# Altium PCB PCBV3.PcbDoc (part 1 of 2)
Units mil, origin at the board's own origin, x right, y up, seen from the top; angles counter-clockwise.
Board outline 2480.31 x 2834.65 mil, 2 copper layers (SIGNAL1, SIGNAL2); 94 components, 77 nets, 381 pads, 80 vias.
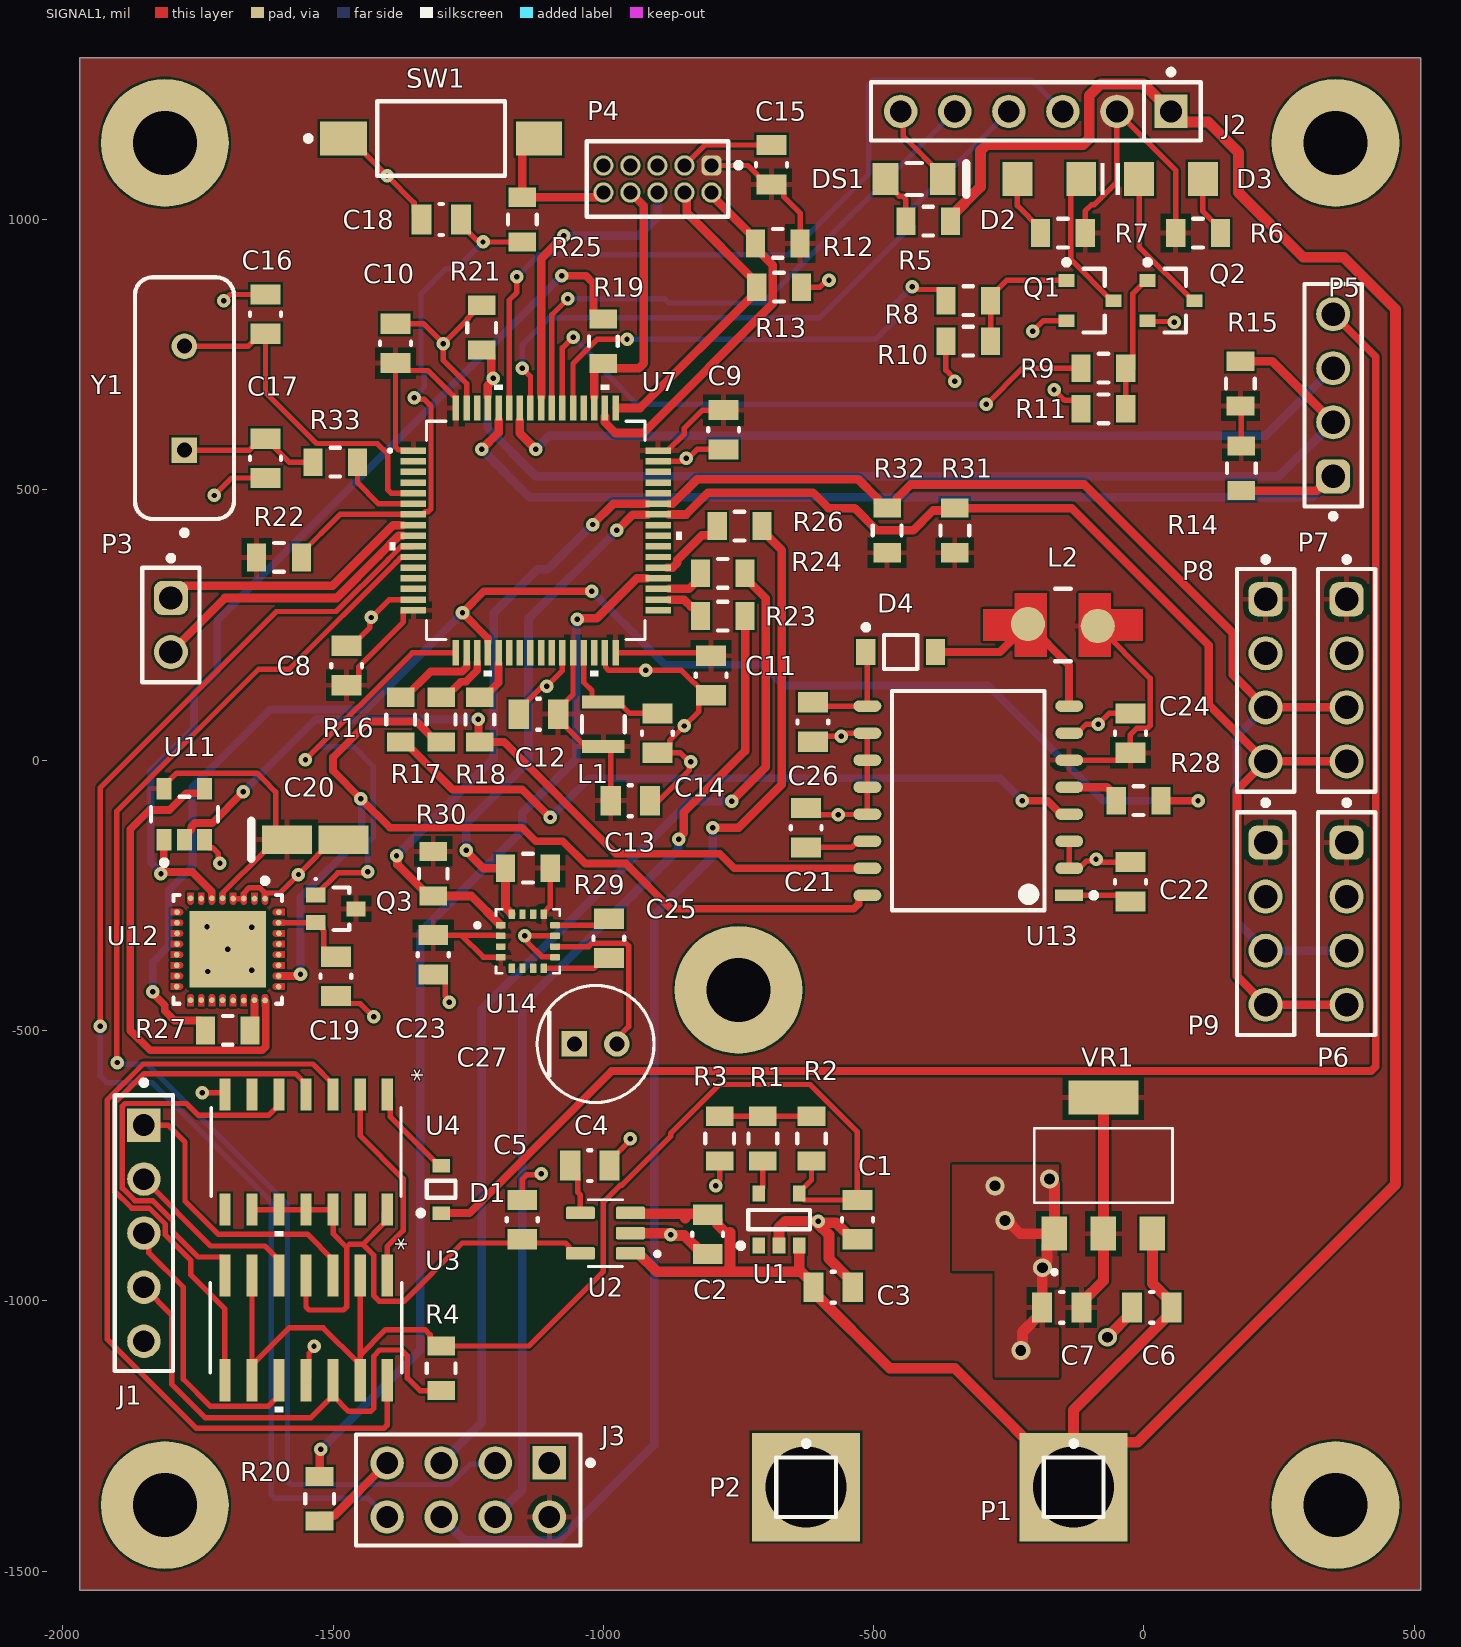
[diagram p0: SIGNAL1 view]
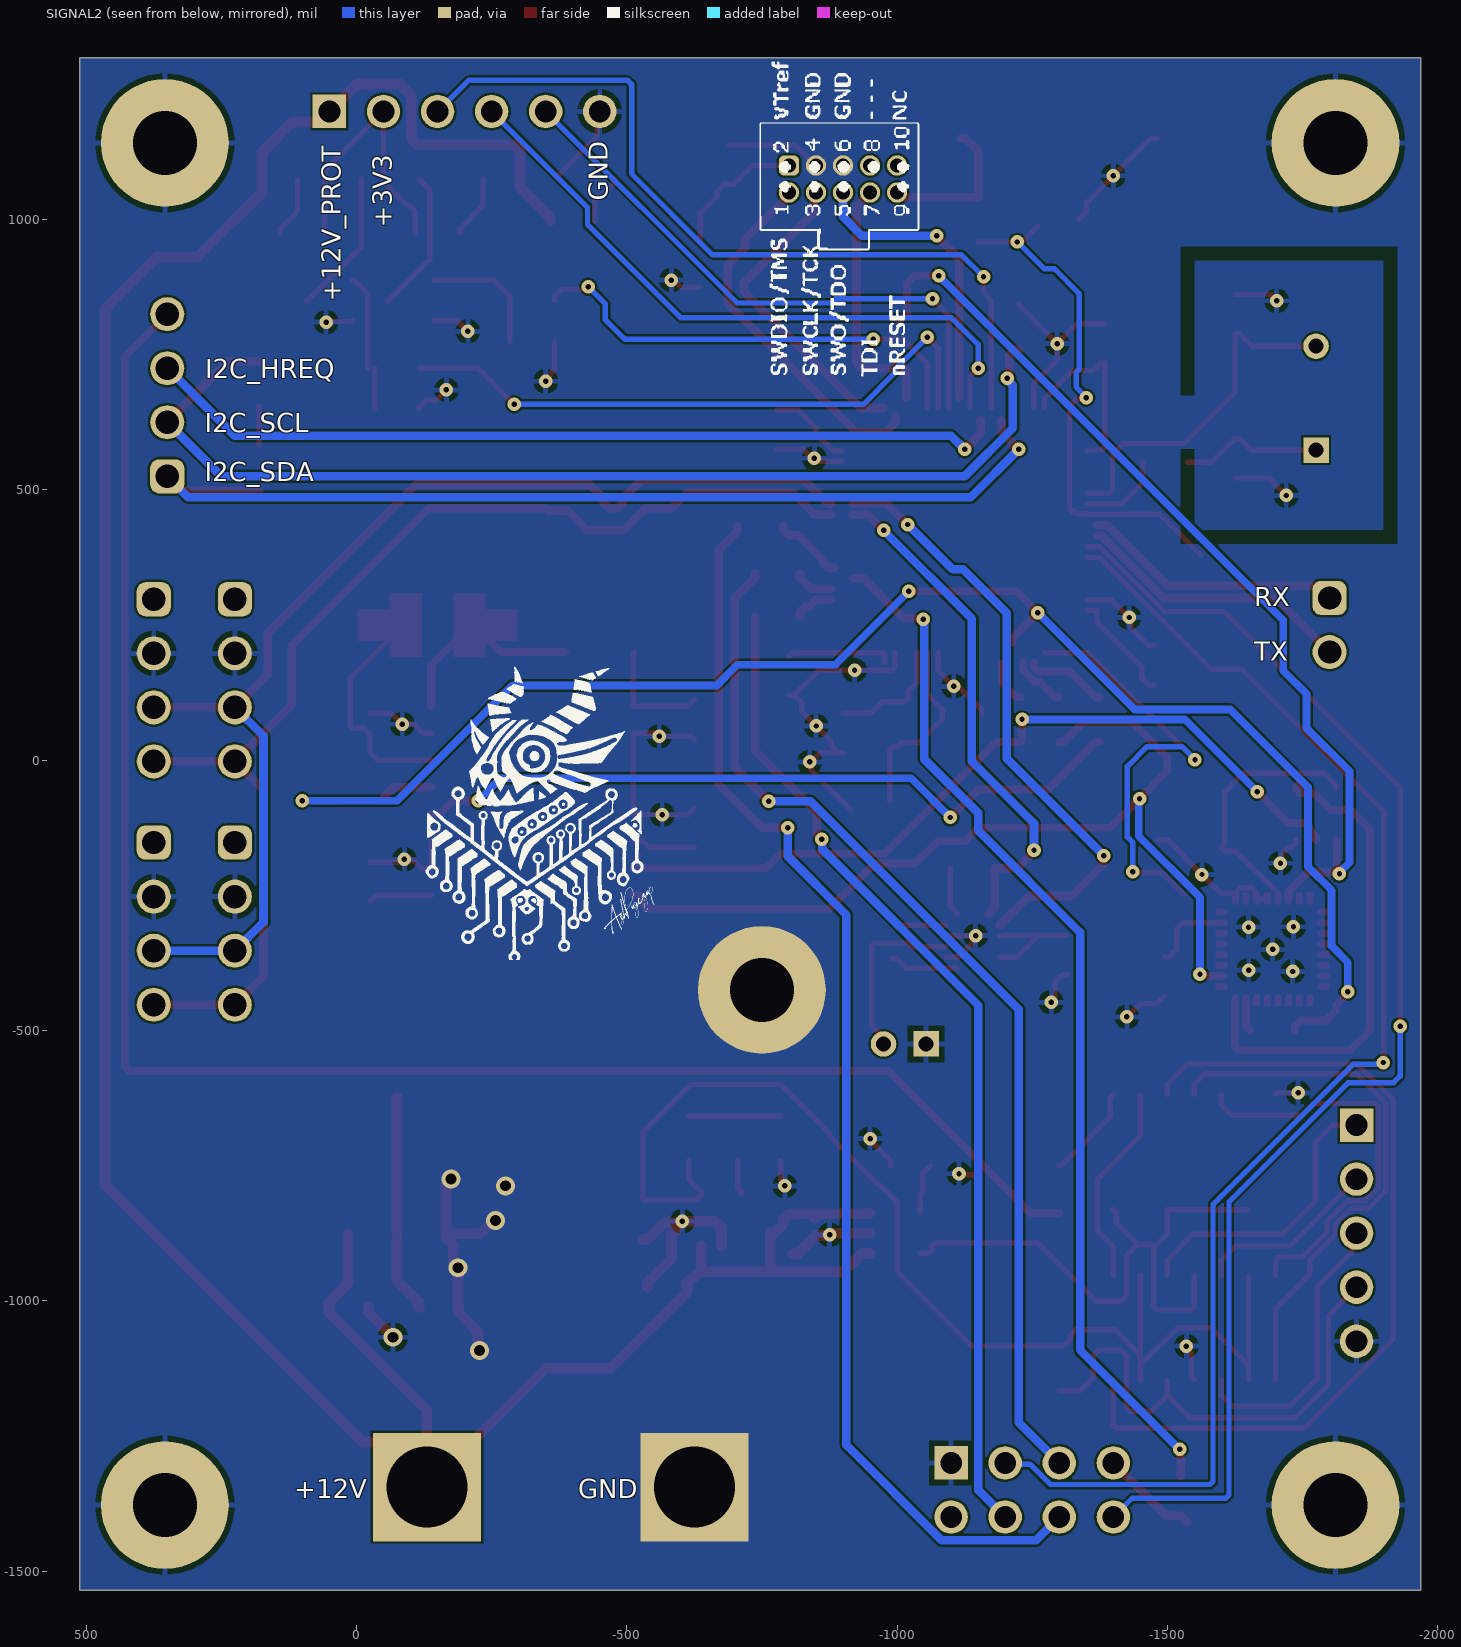
[diagram p1: SIGNAL2 view, seen from below]
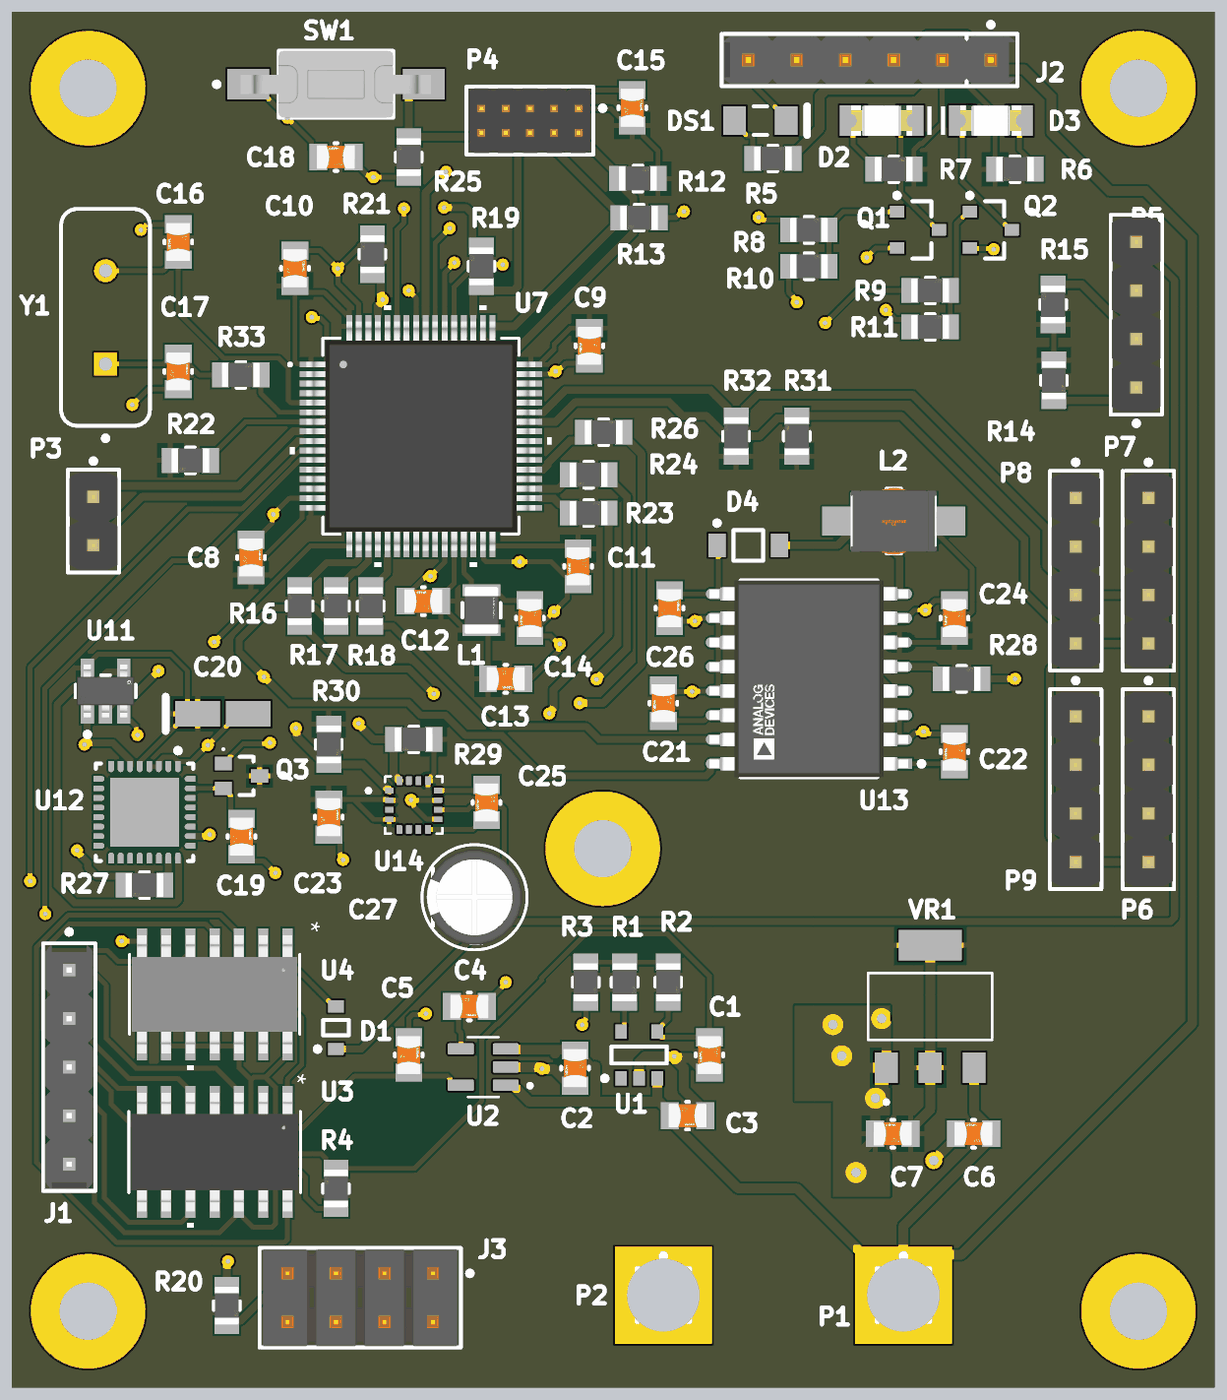
[diagram p3: 3D render of the assembled board from above, using the file's embedded part models]

## Layer stack, top to bottom
Top Solder: solder mask 0.4, Solder Resist, Dk 3.5
SIGNAL1: signal copper 1.4
Dielectric 1: dielectric 12.6, FR-4, Dk 4.6
SIGNAL2: signal copper 1.4
Bottom Solder: solder mask 0.4, Solder Resist, Dk 3.5

## Board outline
-1968.5,-1535.43 -1968.5,1299.21 511.81,1299.21 511.81,-1535.43

## Design rules (kind name [scope] priority, off if disabled: settings)
AssemblyTestPointUsage [All] p1: isadvanced=TRUE
AssemblyTestpoint [All] p1: isadvanced=TRUE testpointundercomponent=TRUE minsize=40 maxsize=100 preferedsize=60 minholesize=0 maxholesize=40 preferedholesize=32 testpointgrid=1 usegrid=TRUE gridtolerance=0.01 allowsidetop=TRUE allowsidebottom=TRUE
Clearance Clearance_1 [OnMid vs OnMid] p1: gap=4 ignorepadtopadclearanceinfootprint=FALSE except(5: Arc-Via Track-Via SMDPad-Via THPad-Via Via-Via Via-Text; 10: Arc-Hole Track-Hole SMDPad-Hole THPad-Hole Via-Hole Fill-Hole Poly-Hole Region-Hole Text-Hole) sourcerule=122 cellrowname=All cellrowtype=0 cellcolname=All cellcoltype=0 innerlayers=TRUE
Clearance Clearance_2 [(ExistsOnLayer('SIGNAL1') Or ExistsOnLayer('SIGNAL2')) vs (ExistsOnLayer('SIGNAL1') Or ExistsOnLayer('SIGNAL2'))] p2: gap=4 ignorepadtopadclearanceinfootprint=FALSE except(5: Arc-Via Track-Via SMDPad-Via THPad-Via Via-Via Via-Text; 10: Arc-Hole Track-Hole SMDPad-Hole THPad-Hole Via-Hole Fill-Hole Poly-Hole Region-Hole Text-Hole) sourcerule=122 cellrowname=All cellrowtype=0 cellcolname=All cellcoltype=0 outerlayers=TRUE
Clearance [All] p3: gap=10 ignorepadtopadclearanceinfootprint=FALSE ismatrix=TRUE
ComponentClearance [All] p1: isadvanced=TRUE gap=10 collisioncheckmode=3 verticalgap=10 showdistances=FALSE
DiffPairsRouting [All] p1 off: maxlimit=10 minlimit=10 mostfreqgap=10 toplayer_minwidth=15 toplayer_maxwidth=15 toplayer_prefwidth=15 bottomlayer_minwidth=15 bottomlayer_maxwidth=15 bottomlayer_prefwidth=15 maxuncoupledlength=500
FabricationTestPointUsage [All] p1: isadvanced=TRUE valid=0 allowmultiple=FALSE
FabricationTestpoint [All] p1: isadvanced=TRUE side=3 testpointundercomponent=TRUE minsize=40 maxsize=100 preferedsize=60 minholesize=0 maxholesize=40 preferedholesize=32 testpointgrid=1 allowsidetop=TRUE allowsidebottom=TRUE usegrid=TRUE gridtolerance=0.01
FanoutControl Fanout_BGA [IsBGA] p1: isadvanced=TRUE bgadir=Out bgaviamode=Centered fanoutstyle=Auto fanoutdirection=Alternating viagrid=1 // Fanout_BGA (Default Rule)
FanoutControl Fanout_LCC [IsLCC] p2: isadvanced=TRUE bgadir=Out bgaviamode=Centered fanoutstyle=Auto fanoutdirection=Alternating viagrid=1 // Fanout_LCC (Default Rule)
FanoutControl Fanout_SOIC [IsSOIC] p3: isadvanced=TRUE bgadir=Out bgaviamode=Centered fanoutstyle=Auto fanoutdirection=Alternating viagrid=1 // Fanout_SOIC (Default Rule)
FanoutControl Fanout_Small [(CompPinCount < 5)] p4: isadvanced=TRUE bgadir=Out bgaviamode=Centered fanoutstyle=Auto fanoutdirection=OutThenIn viagrid=1 // Fanout_Small (Default Rule)
FanoutControl Fanout_Default [All] p5: isadvanced=TRUE bgadir=Out bgaviamode=Centered fanoutstyle=Auto fanoutdirection=Alternating viagrid=1 // Fanout_Default (Default Rule)
Height [All] p1: isadvanced=TRUE minheight=0 maxheight=1000 prefheight=500
HoleSize [All] p1: isadvanced=TRUE absolutevalues=TRUE maxlimit=100 minlimit=1 maxpercent=80.000 minpercent=20.000
HoleToHoleClearance [All] p1: isadvanced=TRUE gap=10 allowstackedmicrovias=TRUE
LayerPairs [All] p1: isadvanced=TRUE enforce=TRUE
Length MaxMinLength_1 [InNet('I2C_HREQ')] p1: maxlimit=100000 minlimit=0
MaxMinImpedance MaxMinImpedance_22 [InNet('SCLK_RF_R')] p1: minimum=50.00 maximum=50.00
MaxMinImpedance MaxMinImpedance_13 [InNet('SEL_1')] p2: minimum=50.00 maximum=50.00
MaxMinImpedance MaxMinImpedance_26 [InNet('MOSI_RF_R')] p3: minimum=50.00 maximum=50.00
MaxMinImpedance MaxMinImpedance_36 [InNet('SEL_RF_R')] p4: minimum=50.00 maximum=50.00
MaxMinImpedance MaxMinImpedance_19 [InNet('MISO_2_R')] p5: minimum=50.00 maximum=50.00
MaxMinImpedance MaxMinImpedance_34 [InNet('MISO_RF_R')] p6: minimum=50.00 maximum=50.00
MaxMinImpedance MaxMinImpedance_4 [InNet('I2C_SCL_MAG')] p7: minimum=50.00 maximum=50.00
MaxMinImpedance MaxMinImpedance_18 [InNet('GND')] p8: minimum=50.00 maximum=50.00
MaxMinImpedance MaxMinImpedance_1 [InNet('I2C_HREQ')] p9: minimum=50.00 maximum=50.00
MaxMinImpedance MaxMinImpedance_5 [InNet('I2C_SDA_MAG')] p10: minimum=50.00 maximum=50.00
MaxMinImpedance MaxMinImpedance_11 [InNet('SCLK_1')] p11: minimum=50.00 maximum=50.00
MaxMinImpedance MaxMinImpedance_7 [InNet('MISO_1')] p12: minimum=50.00 maximum=50.00
MaxMinImpedance MaxMinImpedance_9 [InNet('MOSI_1')] p13: minimum=50.00 maximum=50.00
MaxMinImpedance MaxMinImpedance_38 [InNet('SEL2_R')] p14: minimum=50.00 maximum=50.00
MaxMinImpedance MaxMinImpedance_32 [InNet('MISO_2_R2')] p15: minimum=50.00 maximum=50.00
MaxMinImpedance MaxMinImpedance_28 [InNet('MOSI_2_R')] p16: minimum=50.00 maximum=50.00
MaxMinImpedance MaxMinImpedance_24 [InNet('SCLK_2_R')] p17: minimum=50.00 maximum=50.00
MaxMinImpedance MaxMinImpedance_2 [InNet('I2C_SCL')] p18: minimum=50.00 maximum=50.00
MaxMinImpedance MaxMinImpedance_3 [InNet('I2C_SDA')] p19: minimum=50.00 maximum=50.00
MaxMinImpedance MaxMinImpedance_6 [InNet('MISO_2')] p20: minimum=50.00 maximum=50.00
MaxMinImpedance MaxMinImpedance_8 [InNet('MOSI_2')] p21: minimum=50.00 maximum=50.00
MaxMinImpedance MaxMinImpedance_10 [InNet('SCLK_2')] p22: minimum=50.00 maximum=50.00
MaxMinImpedance MaxMinImpedance_12 [InNet('SEL3')] p23: minimum=50.00 maximum=50.00
MaxMinImpedance MaxMinImpedance_14 [InNet('SWD_CLK')] p24: minimum=50.00 maximum=50.00
MaxMinImpedance MaxMinImpedance_15 [InNet('SWD_DIO')] p25: minimum=50.00 maximum=50.00
MaxMinImpedance MaxMinImpedance_16 [InNet('UART_RX')] p26: minimum=50.00 maximum=50.00
MaxMinImpedance MaxMinImpedance_17 [InNet('UART_TX')] p27: minimum=50.00 maximum=50.00
MaxMinImpedance MaxMinImpedance_21 [InNet('SEL2')] p28: minimum=50.00 maximum=50.00
MinimumSolderMaskSliver [All] p1: isadvanced=TRUE minsoldermaskwidth=10
NetAntennae [All] p1: isadvanced=TRUE netantennaetolerance=0
PasteMaskExpansion [All] p1: isadvanced=TRUE expansion=0
PlaneClearance [All] p1: isadvanced=TRUE clearance=30
PlaneConnect [All] p1: isadvanced=TRUE planeconnectstyle=Relief reliefexpansion=20 reliefentries=4 reliefconductorwidth=10 reliefairgap=10
PolygonConnect [All] p1: connectstyle=Relief reliefconductorwidth=10 reliefentries=4 polygonreliefangle="90 Angle" airgapwidth=10
RoutingCorners [All] p1: isadvanced=TRUE cornerstyle=45-Degree minsetback=100 maxsetback=100
RoutingLayers RoutingLayers_6 [InNet('I2C_SCL_MAG')] p1: top layer_v5=FALSE bottom layer_v5=FALSE
RoutingLayers RoutingLayers_7 [InNet('GND')] p2: top layer_v5=FALSE bottom layer_v5=FALSE
RoutingLayers RoutingLayers_2 [InNet('I2C_SDA_MAG')] p3: top layer_v5=FALSE bottom layer_v5=FALSE
RoutingLayers RoutingLayers_13 [InNet('+3V3_REF')] p4: top layer_v5=FALSE bottom layer_v5=FALSE
RoutingLayers RoutingLayers_11 [InNet('+5')] p5: top layer_v5=FALSE bottom layer_v5=FALSE
RoutingLayers RoutingLayers_9 [InNet('+3V3_A')] p6: top layer_v5=FALSE bottom layer_v5=FALSE
RoutingLayers RoutingLayers_5 [InNet('+12')] p7: top layer_v5=FALSE bottom layer_v5=FALSE
RoutingLayers RoutingLayers_3 [InNet('+3V3')] p8: top layer_v5=FALSE bottom layer_v5=FALSE
RoutingLayers [All] p9: top layer_v5=TRUE bottom layer_v5=TRUE
RoutingPriority [All] p1: isadvanced=TRUE routingpriority=0
RoutingTopology RoutingTopology_1 [InNet('I2C_HREQ')] p1: topology=Shortest
RoutingTopology [All] p2: topology=Shortest
RoutingVias RoutingViaStyle_8 [All] p1: isadvanced=TRUE holewidth=10 width=25 viastyle="Through Hole" minholewidth=10 minwidth=20 maxholewidth=30 maxwidth=40
RoutingVias [All] p2 off: holewidth=10 width=25 viastyle="Through Hole" minholewidth=10 minwidth=25 maxholewidth=10 maxwidth=25
SMDNeckDown [All  -  U3] p1: isadvanced=TRUE percent=100.000
ShortCircuit [All] p1: isadvanced=TRUE allowed=FALSE
SilkToSilkClearance [All] p1: isadvanced=TRUE silktosilkclearance=10
SilkToSolderMaskClearance [IsPad] p1: isadvanced=TRUE minsilkscreentomaskgap=10 clearancetoexposedcopper=TRUE
SolderMaskExpansion [All] p1: isadvanced=TRUE expansion=4 istentingtop=FALSE
SupplyNets "Schematic Supply Nets_4" [InNet('+5')] p1: isadvanced=TRUE voltage=0.000
SupplyNets "Schematic Supply Nets_7" [InNet('+3V3_A')] p2: isadvanced=TRUE voltage=0.000
SupplyNets "Schematic Supply Nets_5" [InNet('+12')] p3: isadvanced=TRUE voltage=0.000
SupplyNets "Schematic Supply Nets_3" [InNet('GND')] p4: isadvanced=TRUE voltage=0.000
SupplyNets "Schematic Supply Nets_2" [InNet('+3V3_REF')] p5: isadvanced=TRUE voltage=0.000
SupplyNets "Schematic Supply Nets_1" [InNet('+3V3')] p6: isadvanced=TRUE voltage=0.000
UnRoutedNet [All] p1: isadvanced=TRUE
UnpouredPolygon [All] p1: isadvanced=TRUE
Width MaxMinWidth_40 [InNet('SEL_RF_R')] p1: maxlimit=14.28 minlimit=14.28 preferedwidth=15.88 impedanceprofiledriven=TRUE impedanceprofileid={00D651F3-DFB4-4C9B-8B94-942D9084C4B3} impedanceprofilevalue=50.000000 minimp=50.000000 maximp=50.000000 favimp=50.000000
Width MaxMinWidth_45 [InNet('MOSI_RF_R')] p2: maxlimit=14.28 minlimit=14.28 preferedwidth=15.88 impedanceprofiledriven=TRUE impedanceprofileid={00D651F3-DFB4-4C9B-8B94-942D9084C4B3} impedanceprofilevalue=50.000000 minimp=50.000000 maximp=50.000000 favimp=50.000000
Width MaxMinWidth_36 [InNet('SCLK_RF_R')] p3: maxlimit=14.28 minlimit=14.28 preferedwidth=15.88 impedanceprofiledriven=TRUE impedanceprofileid={00D651F3-DFB4-4C9B-8B94-942D9084C4B3} impedanceprofilevalue=50.000000 minimp=50.000000 maximp=50.000000 favimp=50.000000
Width MaxMinWidth_42 [InNet('MISO_RF_R')] p4: maxlimit=14.28 minlimit=14.28 preferedwidth=15.88 impedanceprofiledriven=TRUE impedanceprofileid={00D651F3-DFB4-4C9B-8B94-942D9084C4B3} impedanceprofilevalue=50.000000 minimp=50.000000 maximp=50.000000 favimp=50.000000
Width MaxMinWidth_25 [InNet('SEL_1')] p5: maxlimit=14.28 minlimit=14.28 preferedwidth=15.88 impedanceprofiledriven=TRUE impedanceprofileid={00D651F3-DFB4-4C9B-8B94-942D9084C4B3} impedanceprofilevalue=50.000000 minimp=50.000000 maximp=50.000000 favimp=50.000000
Width MaxMinWidth_18 [InNet('NetU12_4')] p6: maxlimit=14.28 minlimit=14.28 preferedwidth=15.88 impedanceprofiledriven=TRUE impedanceprofileid={00D651F3-DFB4-4C9B-8B94-942D9084C4B3} impedanceprofilevalue=50.000000 minimp=50.000000 maximp=50.000000 favimp=50.000000
Width MaxMinWidth_14 [InNet('MISO_2_R')] p7: maxlimit=14.28 minlimit=14.28 preferedwidth=15.88 impedanceprofiledriven=TRUE impedanceprofileid={00D651F3-DFB4-4C9B-8B94-942D9084C4B3} impedanceprofilevalue=50.000000 minimp=50.000000 maximp=50.000000 favimp=50.000000
Width MaxMinWidth_32 [InNet('GND')] p8: maxlimit=20 minlimit=4 preferedwidth=10 minimp=50.000000 maximp=50.000000 favimp=50.000000
Width MaxMinWidth_31 [InNet('SEL2')] p9: maxlimit=14.28 minlimit=14.28 preferedwidth=15.88 impedanceprofiledriven=TRUE impedanceprofileid={00D651F3-DFB4-4C9B-8B94-942D9084C4B3} impedanceprofilevalue=50.000000 minimp=50.000000 maximp=50.000000 favimp=50.000000
Width MaxMinWidth_30 [InNet('MISO_2')] p10: maxlimit=14.28 minlimit=14.28 preferedwidth=15.88 impedanceprofiledriven=TRUE impedanceprofileid={00D651F3-DFB4-4C9B-8B94-942D9084C4B3} impedanceprofilevalue=50.000000 minimp=50.000000 maximp=50.000000 favimp=50.000000
Width MaxMinWidth_46 [InNet('SEL2_R')] p11: maxlimit=14.28 minlimit=14.28 preferedwidth=15.88 impedanceprofiledriven=TRUE impedanceprofileid={00D651F3-DFB4-4C9B-8B94-942D9084C4B3} impedanceprofilevalue=50.000000 minimp=50.000000 maximp=50.000000 favimp=50.000000
Width MaxMinWidth_29 [InNet('SCLK_2')] p12: maxlimit=14.28 minlimit=14.28 preferedwidth=15.88 impedanceprofiledriven=TRUE impedanceprofileid={00D651F3-DFB4-4C9B-8B94-942D9084C4B3} impedanceprofilevalue=50.000000 minimp=50.000000 maximp=50.000000 favimp=50.000000
Width MaxMinWidth_47 [InNet('MISO_2_R2')] p13: maxlimit=14.28 minlimit=14.28 preferedwidth=15.88 impedanceprofiledriven=TRUE impedanceprofileid={00D651F3-DFB4-4C9B-8B94-942D9084C4B3} impedanceprofilevalue=50.000000 minimp=50.000000 maximp=50.000000 favimp=50.000000
Width MaxMinWidth_27 [InNet('MOSI_2')] p14: maxlimit=14.28 minlimit=14.28 preferedwidth=15.88 impedanceprofiledriven=TRUE impedanceprofileid={00D651F3-DFB4-4C9B-8B94-942D9084C4B3} impedanceprofilevalue=50.000000 minimp=50.000000 maximp=50.000000 favimp=50.000000
Width MaxMinWidth_26 [InNet('SEL3')] p15: maxlimit=14.28 minlimit=14.28 preferedwidth=15.88 impedanceprofiledriven=TRUE impedanceprofileid={00D651F3-DFB4-4C9B-8B94-942D9084C4B3} impedanceprofilevalue=50.000000 minimp=50.000000 maximp=50.000000 favimp=50.000000
Width MaxMinWidth_41 [InNet('SCLK_2_R')] p16: maxlimit=14.28 minlimit=14.28 preferedwidth=15.88 impedanceprofiledriven=TRUE impedanceprofileid={00D651F3-DFB4-4C9B-8B94-942D9084C4B3} impedanceprofilevalue=50.000000 minimp=50.000000 maximp=50.000000 favimp=50.000000